# KiCad board Scopefun_v2.kicad_pcb (continued)
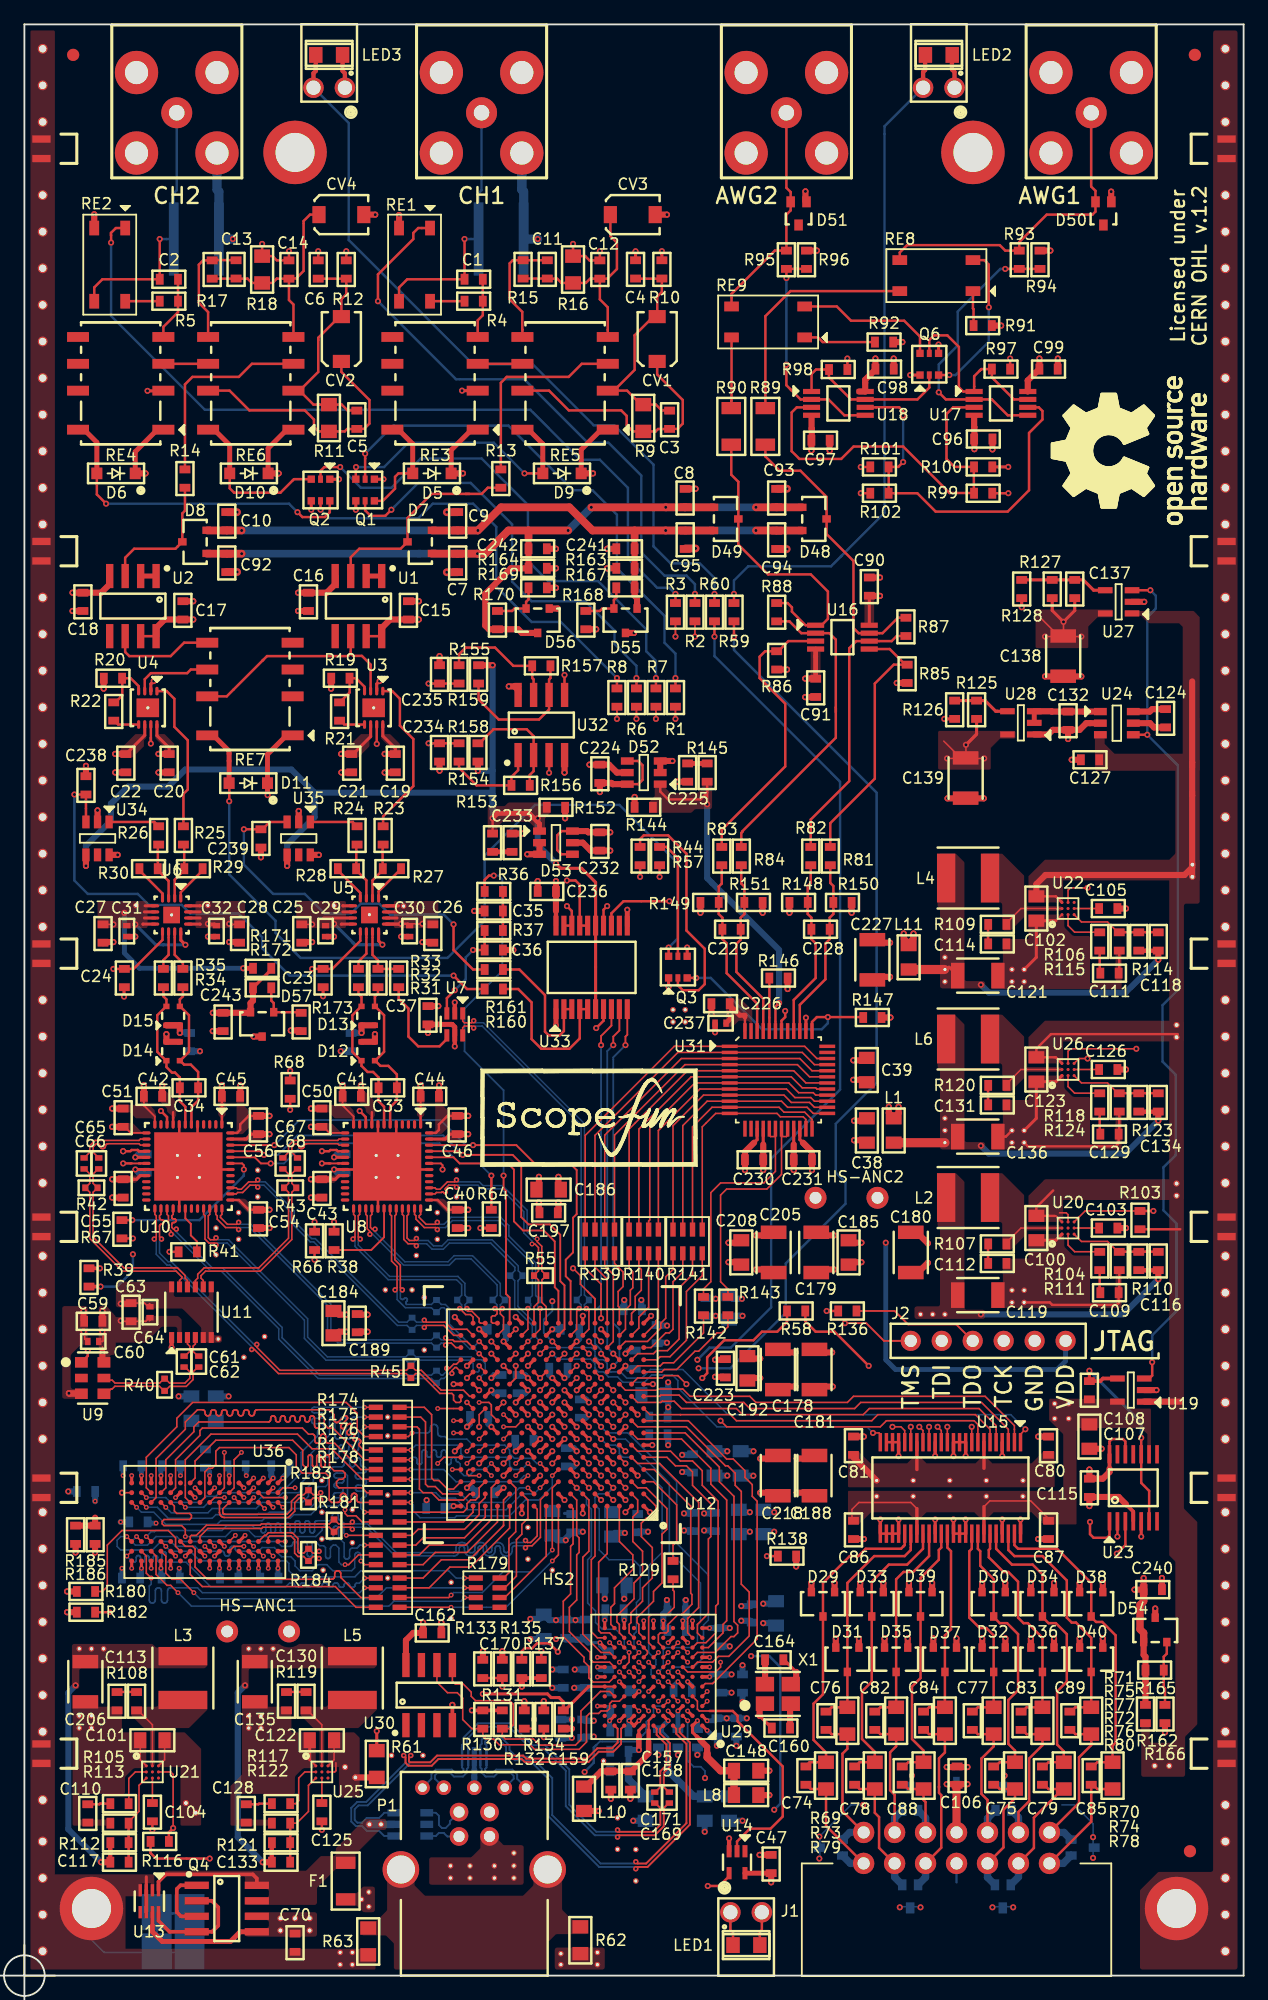
[diagram p0: board, top side]
## Routing (per net, layer and track width the routed paths; a pad name or vN(x,y) marks a point on that pad's centre or on a via; arc(x,y) is an arc through that point) (continued)
DDR3_DQ5: length 31.6
  Top w0.127: v2(33.9,46.5) U12.J16 ; U36.H8 v2(14.8,35.2)
  In2.Cu w0.127: v2(14.8,35.2) 14.8,37.6 15.8,38.6 17.4,38.6 17.6,38.8 17.6,41.3 18.3,42 18.5,42 23.7,47.2 28.25,47.2 28.31,47.19 28.37,47.17 28.42,47.14 28.47,47.1 28.5,47.04 28.52,46.99 28.53,46.86 28.55,46.81 28.58,46.75 28.63,46.71 28.68,46.68 28.74,46.66 28.8,46.65 28.85,46.65 28.91,46.66 28.97,46.68 29.02,46.71 29.07,46.75 29.1,46.81 29.12,46.86 29.13,46.99 29.15,47.04 29.18,47.1 29.23,47.14 29.28,47.17 29.34,47.19 29.4,47.2 29.45,47.2 29.51,47.19 29.57,47.17 29.62,47.14 29.67,47.1 29.7,47.04 29.72,46.99 29.73,46.86 29.75,46.81 29.78,46.75 29.83,46.71 29.88,46.68 29.94,46.66 30,46.65 30.05,46.65 30.11,46.66 30.17,46.68 30.22,46.71 30.27,46.75 30.3,46.81 30.32,46.86 30.33,46.99 30.35,47.04 30.38,47.1 30.43,47.14 30.48,47.17 30.54,47.19 30.6,47.2 30.65,47.2 30.71,47.19 30.77,47.17 30.82,47.14 30.87,47.1 30.9,47.04 30.92,46.99 30.93,46.86 30.95,46.81 30.98,46.75 31.03,46.71 31.08,46.68 31.14,46.66 31.2,46.65 31.25,46.65 31.31,46.66 31.37,46.68 31.42,46.71 31.47,46.75 31.5,46.81 31.52,46.86 31.53,46.99 31.55,47.04 31.58,47.1 31.63,47.14 31.68,47.17 31.74,47.19 31.8,47.2 33.2,47.2 v2(33.9,46.5)
DDR3_DQ6: length 33.3
  Top w0.127: v2(16.4,42.9) 16.4,40 U36.G2 ; U12.H13 38.3,46 38.3,46.8 38.1,47 v2(37.3,47)
  In2.Cu w0.127: v2(37.3,47) 36.75,47.55 36.75,48.15 36.5,48.4 36.1,48.4 35.7,48.8 35.7,49.7 34.85,50.55 22.7,50.55 16.4,44.25 v2(16.4,42.9)
DDR3_DQ7: length 31.2
  Top w0.127: U36.H7 v2(15.6,35.2) ; v2(35.2,45.5) U12.H16
  In2.Cu w0.127: v2(35.2,45.5) 34.8,45.5 34.6,45.7 33.8,45.7 33.1,46.4 32.1,46.4 31.8,46.1 30.3,46.1 30.1,46.3 29.6,46.3 29.5,46.2 27.1,46.2 27.04,46.21 26.99,46.22 26.94,46.25 26.9,46.29 26.87,46.34 26.86,46.39 26.84,46.51 26.83,46.56 26.8,46.61 26.76,46.65 26.71,46.68 26.66,46.69 26.6,46.7 26.5,46.7 26.44,46.69 26.39,46.68 26.34,46.65 26.3,46.61 26.27,46.56 26.26,46.51 26.24,46.39 26.23,46.34 26.2,46.29 26.16,46.25 26.11,46.22 26.06,46.21 26,46.2 25.9,46.2 25.84,46.21 25.79,46.22 25.74,46.25 25.7,46.29 25.67,46.34 25.66,46.39 25.64,46.51 25.63,46.56 25.6,46.61 25.56,46.65 25.51,46.68 25.46,46.69 25.4,46.7 25.3,46.7 25.24,46.69 25.19,46.68 25.14,46.65 25.1,46.61 25.07,46.56 25.06,46.51 25.04,46.39 25.03,46.34 25,46.29 24.96,46.25 24.91,46.22 24.86,46.21 24.8,46.2 24.3,46.2 24.2,46.1 24.15,46.06 24.1,46.03 24.04,46.02 23.97,46.02 23.91,46.03 23.86,46.06 23.76,46.14 23.71,46.17 23.65,46.18 23.59,46.18 23.53,46.17 23.47,46.14 23.42,46.1 23.39,46.06 23.35,46.02 23.32,45.96 23.31,45.9 23.31,45.84 23.32,45.78 23.35,45.72 23.43,45.63 23.45,45.57 23.47,45.51 23.47,45.45 23.45,45.39 23.43,45.33 23.39,45.29 23.35,45.25 23.3,45.21 23.25,45.19 23.19,45.17 23.13,45.17 23.07,45.19 23.01,45.21 22.91,45.29 22.86,45.32 22.8,45.33 22.74,45.33 22.68,45.32 22.62,45.29 22.57,45.25 22.54,45.22 22.5,45.17 22.47,45.11 22.46,45.05 22.46,44.99 22.47,44.93 22.5,44.88 22.58,44.78 22.6,44.72 22.62,44.66 22.62,44.6 22.6,44.54 22.58,44.49 22.54,44.44 22.4,44.3 22,44.3 19.2,41.5 19.2,40.6 19,40.4 18.6,40.4 18.4,40.2 18.4,38.8 17.6,38 16.2,38 15.7,37.5 15.7,36.4 16,36.1 16,35.6 v2(15.6,35.2)
DDR3_DQ8: length 29.5
  Top w0.127: U12.E15 v2(36.3,42) ; U36.D7 v2(18.8,35.2)
  In2.Cu w0.127: 24.36,35.29 23.74,35.29 23.33,35.7 22.2,35.7 21.8,36.1 21.33,36.1 21.1,36.33 21.1,36.7 21.09,36.77 21.07,36.83 21.03,36.89 20.99,36.93 20.93,36.97 20.87,36.99 20.8,37 20.73,36.99 20.67,36.97 20.61,36.93 20.57,36.89 20.53,36.83 20.51,36.77 20.5,36.7 20.5,35.3 20.49,35.23 20.47,35.17 20.43,35.11 20.39,35.07 20.33,35.03 20.27,35.01 20.2,35 20.13,35.01 20.07,35.03 20.01,35.07 19.97,35.11 19.93,35.17 19.91,35.23 19.9,35.3 19.9,36.9 19.89,36.97 19.87,37.03 19.83,37.09 19.79,37.13 19.73,37.17 19.67,37.19 19.6,37.2 19.53,37.19 19.47,37.17 19.41,37.13 19.37,37.09 19.33,37.03 19.31,36.97 19.3,36.9 19.3,35.5 19.29,35.43 19.27,35.37 19.23,35.31 19.19,35.27 19.13,35.23 19.07,35.21 19,35.2 v2(18.8,35.2) ; 25.2,35.2 26,34.4 27.36,34.4 27.36,34.41 27.74,34.71 28.61,34.71 32.4,38.5 33.3,38.5 33.55,38.75 33.55,39.2 33.4,39.35 33.4,39.6 34,40.2 34,40.4 34.6,41 35.3,41 v2(36.3,42)
  In2.Cu w0.13: 25.2,35.2 25.11,35.29 24.36,35.29
DDR3_DQ9: length 29.2
  Top w0.127: U12.D16 v2(35.1,41.5) ; U36.C3 v2(19.7,38.3)
  In2.Cu w0.127: v2(35.1,41.5) 34.3,41.5 33.3,40.5 33.3,40.2 32.3,39.2 31.5,39.2 31.44,39.19 31.39,39.18 31.34,39.15 31.3,39.11 31.27,39.06 31.26,39.01 31.25,38.95 31.25,38.45 31.24,38.39 31.23,38.34 31.2,38.29 31.16,38.25 31.11,38.22 31.06,38.21 31,38.2 30.94,38.21 30.89,38.22 30.84,38.25 30.8,38.29 30.77,38.34 30.76,38.39 30.75,38.45 30.75,39 30.74,39.04 30.73,39.09 30.71,39.12 30.67,39.16 30.64,39.18 30.59,39.19 30.55,39.2 30.45,39.2 30.41,39.19 30.36,39.18 30.33,39.16 30.29,39.12 30.27,39.09 30.26,39.04 30.25,39 30.25,38.95 30.24,38.89 30.23,38.84 30.2,38.79 30.16,38.75 30.11,38.72 30.06,38.71 30,38.7 29.7,38.7 29.64,38.69 29.59,38.68 29.54,38.65 29.5,38.61 29.47,38.56 29.46,38.51 29.45,38.45 29.46,38.39 29.47,38.34 29.5,38.29 29.54,38.25 29.59,38.22 29.64,38.21 29.7,38.2 30.2,38.2 30.26,38.19 30.31,38.18 30.36,38.15 30.4,38.11 30.43,38.06 30.44,38.01 30.45,37.95 30.45,37.35 30.4,37.3 30.36,37.27 30.31,37.24 30.25,37.23 30.2,37.23 30.14,37.24 30.09,37.27 30.05,37.3 29.76,37.58 29.72,37.62 29.67,37.64 29.61,37.65 29.56,37.65 29.5,37.64 29.45,37.62 29.41,37.58 29.38,37.54 29.35,37.49 29.34,37.43 29.34,37.38 29.35,37.32 29.38,37.27 29.41,37.23 29.69,36.95 29.73,36.9 29.75,36.85 29.76,36.8 29.76,36.74 29.75,36.69 29.73,36.64 29.69,36.59 29.6,36.5 29.56,36.47 29.51,36.44 29.45,36.43 29.4,36.43 29.34,36.44 29.29,36.47 29.25,36.5 28.96,36.78 28.92,36.82 28.87,36.84 28.81,36.85 28.76,36.85 28.7,36.84 28.65,36.82 28.48,36.64 28.45,36.59 28.44,36.53 28.44,36.48 28.45,36.42 28.48,36.37 28.51,36.33 28.79,36.05 28.83,36 28.85,35.95 28.86,35.9 28.86,35.84 28.85,35.79 28.83,35.74 28.79,35.69 28.7,35.6 28.66,35.57 28.61,35.54 28.55,35.53 28.5,35.53 28.44,35.54 28.39,35.57 28.35,35.6 27.86,36.08 27.82,36.12 27.77,36.14 27.71,36.15 27.66,36.15 27.6,36.14 27.55,36.12 27.4,35.96 27.4,35.2 27.2,35 26.3,35 25.8,35.5 25.8,36.1 25.6,36.3 22.4,36.3 20.8,37.9 20.1,37.9 v2(19.7,38.3)
DDR3_DQ10: length 28.6
  Top w0.127: v2(40.3,41) U12.D11 ; 19.23,34.8 19.23,34.8 ; U36.C8 v2(19.6,34.4)
  In2.Cu w0.127: v2(19.6,34.4) 20.1,33.9 21.1,33.9 21.4,33.6 21.4,33.5 24.3,30.6 31.1,30.6 40.3,39.8 v2(40.3,41)
DDR3_DQ11: length 31.1
  Top w0.127: v2(21.4,39.2) 19.6,39.2 U36.C2 ; 19.23,39.6 19.23,39.6 ; v2(38.3,43) U12.F13
  In2.Cu w0.127: v2(21.4,39.2) 22.07,39.2 22.35,39.48 22.46,39.56 22.52,39.59 22.58,39.61 22.65,39.61 22.71,39.59 22.77,39.56 22.83,39.52 22.87,39.47 22.9,39.41 22.91,39.34 22.91,39.28 22.9,39.21 22.87,39.15 22.83,39.1 22.4,38.67 22.36,38.62 22.33,38.56 22.32,38.49 22.32,38.43 22.33,38.36 22.36,38.3 22.4,38.25 22.46,38.21 22.52,38.18 22.58,38.16 22.65,38.16 22.71,38.18 22.77,38.21 22.88,38.29 22.94,38.32 23.01,38.33 23.07,38.33 23.14,38.32 23.2,38.29 23.25,38.25 23.29,38.2 23.32,38.14 23.34,38.07 23.34,38 23.32,37.94 23.29,37.88 23.21,37.77 23.18,37.71 23.17,37.65 23.17,37.58 23.18,37.51 23.21,37.45 23.25,37.4 23.3,37.36 23.36,37.33 23.43,37.31 23.5,37.31 23.56,37.33 23.62,37.36 23.73,37.44 23.79,37.47 23.85,37.49 23.92,37.49 23.99,37.47 24.05,37.44 24.1,37.4 24.8,37.4 26.1,38.7 26.88,38.7 26.89,38.7 26.94,38.72 27,38.75 27.04,38.8 27.07,38.85 27.09,38.91 27.1,38.97 27.1,39.32 27.11,39.36 27.12,39.41 27.14,39.44 27.18,39.48 27.21,39.5 27.26,39.51 27.3,39.52 27.9,39.52 27.94,39.53 27.99,39.54 28.02,39.56 28.06,39.6 28.08,39.63 28.09,39.68 28.1,39.72 28.09,39.76 28.08,39.81 28.06,39.84 28.02,39.88 27.99,39.9 27.94,39.91 27.9,39.92 27.3,39.92 27.26,39.93 27.21,39.94 27.18,39.96 27.14,40 27.12,40.03 27.11,40.08 27.1,40.12 27.11,40.16 27.12,40.21 27.14,40.24 27.18,40.28 27.21,40.3 27.26,40.31 27.3,40.32 27.9,40.32 27.94,40.33 27.99,40.34 28.02,40.36 28.06,40.4 28.08,40.43 28.09,40.48 28.1,40.52 28.09,40.56 28.08,40.61 28.06,40.64 28.02,40.68 27.99,40.7 27.94,40.71 27.9,40.72 27.4,40.72 27.36,40.73 27.31,40.74 27.28,40.76 27.24,40.8 27.22,40.83 27.21,40.88 27.2,40.92 27.21,40.96 27.22,41.01 27.24,41.04 27.28,41.08 27.31,41.1 27.36,41.11 27.4,41.12 28.12,41.12 28.6,41.6 31,41.6 31.3,41.9 31.9,41.9 32.3,41.5 32.7,41.5 33.6,42.4 34.3,42.4 34.7,42 35.6,42 36.1,42.5 36.5,42.5 36.7,42.7 36.9,42.7 37.1,42.5 37.5,42.5 37.7,42.3 38,42.3 38.3,42.6 v2(38.3,43)
DDR3_DQ12: length 29.4
  Top w0.127: U12.F12 v2(39.3,43) ; U36.A7 v2(21.4,35.6) ; 20.83,35.6 20.83,35.6
  In2.Cu w0.127: v2(39.3,43) 38.8,42.5 38.8,40.8 38.5,40.5 37.8,40.5 37.71,40.41 37.71,40.41 37.67,40.36 37.64,40.3 37.62,40.23 37.62,40.17 37.64,40.1 37.67,40.04 37.71,39.99 37.85,39.85 37.89,39.79 37.92,39.73 37.94,39.67 37.94,39.6 37.92,39.53 37.89,39.47 37.85,39.42 37.8,39.38 37.74,39.35 37.67,39.34 37.61,39.34 37.54,39.35 37.48,39.38 37.43,39.42 37.29,39.56 37.23,39.61 37.17,39.63 37.11,39.65 37.04,39.65 36.97,39.63 36.91,39.61 36.86,39.56 36.77,39.47 36.77,39.47 36.73,39.42 36.7,39.36 36.69,39.3 36.69,39.23 36.7,39.16 36.73,39.1 36.77,39.05 36.91,38.91 36.96,38.86 36.98,38.8 37,38.73 37,38.66 36.98,38.6 36.96,38.54 36.91,38.48 36.86,38.44 36.8,38.41 36.73,38.4 36.67,38.4 36.6,38.41 36.54,38.44 36.49,38.48 36.35,38.63 36.3,38.67 36.23,38.7 36.17,38.71 36.1,38.71 36.04,38.7 35.98,38.67 35.92,38.63 35.84,38.54 35.83,38.54 35.79,38.49 35.76,38.43 35.75,38.36 35.75,38.29 35.76,38.23 35.79,38.17 35.83,38.11 35.98,37.97 36.02,37.92 36.05,37.86 36.06,37.79 36.06,37.73 36.05,37.66 36.02,37.6 35.98,37.55 35.73,37.3 35.4,37.3 30.1,32 29.4,32 29.2,32.2 27.6,32.2 27.5,32.1 24.9,32.1 v2(21.4,35.6)
DDR3_DQ13: length 29.2
  Top w0.127: v2(36.3,43) 36.3,43 U12.F15 ; U36.A2 21.2,40 v2(22.2,40)
  In2.Cu w0.127: v2(22.2,40) 22.6,40.4 22.61,40.4 22.75,40.54 22.78,40.59 22.8,40.64 22.81,40.76 22.83,40.81 22.86,40.86 22.9,40.9 22.95,40.93 23,40.94 23.06,40.95 23.36,40.95 23.41,40.94 23.46,40.93 23.51,40.9 23.55,40.86 23.58,40.81 23.6,40.76 23.61,40.7 23.6,40.64 23.58,40.59 23.55,40.54 23.51,40.5 23.46,40.47 23.41,40.46 23.3,40.44 23.25,40.43 23.2,40.4 23.16,40.36 23.13,40.31 23.11,40.26 23.11,40.2 23.11,40.1 23.11,40.04 23.13,39.99 23.16,39.94 23.2,39.9 23.25,39.87 23.3,39.86 23.41,39.84 23.46,39.83 23.51,39.8 23.55,39.76 23.58,39.71 23.6,39.66 23.61,39.6 23.61,38.89 24,38.5 25.1,38.5 25.75,39.15 26.25,39.15 26.31,39.16 26.36,39.17 26.41,39.2 26.45,39.24 26.48,39.29 26.49,39.34 26.5,39.4 26.49,39.46 26.48,39.51 26.45,39.56 26.41,39.6 26.36,39.63 26.31,39.64 26.25,39.65 26.15,39.65 26.09,39.66 26.04,39.67 25.99,39.7 25.95,39.74 25.92,39.79 25.91,39.84 25.9,39.9 25.91,39.96 25.92,40.01 25.95,40.06 25.99,40.1 26.04,40.13 26.09,40.14 26.15,40.15 26.45,40.15 26.51,40.16 26.56,40.17 26.61,40.2 26.65,40.24 26.68,40.29 26.69,40.34 26.7,40.4 26.7,40.62 26.74,40.66 26.74,42.29 26.76,42.41 26.77,42.46 26.8,42.51 26.84,42.55 26.89,42.58 26.94,42.59 27,42.6 27.06,42.59 27.11,42.58 27.16,42.55 27.2,42.51 27.23,42.46 27.24,42.41 27.26,42.29 27.26,41.79 27.27,41.74 27.3,41.69 27.34,41.65 27.39,41.62 27.44,41.61 27.5,41.6 27.56,41.61 27.61,41.62 27.66,41.65 27.7,41.69 27.73,41.74 27.74,41.79 27.74,42.49 27.76,42.61 27.77,42.66 27.8,42.71 27.84,42.75 27.89,42.78 27.94,42.79 28,42.8 28.06,42.79 28.11,42.78 28.16,42.75 28.2,42.71 28.23,42.66 28.24,42.61 28.25,42.55 28.25,42.25 28.26,42.19 28.27,42.14 28.3,42.09 28.34,42.05 28.39,42.02 28.44,42.01 28.5,42 28.56,42.01 28.61,42.02 28.66,42.05 28.7,42.09 28.73,42.14 28.74,42.19 28.75,42.25 28.75,42.55 28.76,42.61 28.77,42.66 28.8,42.71 28.84,42.75 28.89,42.78 28.94,42.79 29,42.8 29.06,42.79 29.11,42.78 29.16,42.75 29.2,42.71 29.23,42.66 29.24,42.61 29.25,42.55 29.25,42.35 29.26,42.29 29.27,42.24 29.3,42.19 29.34,42.15 29.39,42.12 29.44,42.11 29.5,42.1 29.56,42.11 29.61,42.12 29.66,42.15 29.7,42.19 29.73,42.24 29.74,42.29 29.75,42.35 29.75,42.55 29.76,42.61 29.77,42.66 29.8,42.71 29.84,42.75 29.89,42.78 29.94,42.79 30,42.8 30.06,42.79 30.11,42.78 30.16,42.75 30.2,42.71 30.23,42.66 30.24,42.61 30.25,42.55 30.25,42.35 30.26,42.29 30.27,42.24 30.3,42.19 30.34,42.15 30.39,42.12 30.44,42.11 30.5,42.1 30.56,42.11 30.61,42.12 30.66,42.15 30.7,42.19 30.73,42.24 30.74,42.29 30.75,42.35 30.75,42.45 30.76,42.51 30.77,42.56 30.8,42.61 30.84,42.65 30.89,42.68 30.94,42.69 31,42.7 32,42.7 32.3,42.4 32.8,42.4 33.2,42.8 34.7,42.8 35,42.5 35.51,42.5 36,43 v2(36.3,43)
DDR3_DQ14: length 27.7
  Top w0.127: 20.03,34.8 20.03,34.8 ; U36.B8 v2(20.4,34.4) ; U12.E11 v2(40.3,42)
  In2.Cu w0.127: v2(20.4,34.4) 21,34.4 21.1,34.3 21.7,34.3 24.7,31.3 30.6,31.3 38.8,39.5 38.8,40.2 39.1,40.5 39.5,40.5 39.8,40.8 39.8,41.5 v2(40.3,42)
DDR3_DQ15: length 28.7
  Top w0.127: v2(33.9,42) 34.4,42.5 U12.E16 ; 20.83,38.8 20.83,38.8 ; U36.A3 v2(21.2,38.4)
  In2.Cu w0.127: v2(33.9,42) 33,41.1 32.94,41.09 32.89,41.08 32.84,41.05 32.8,41.01 32.77,40.96 32.76,40.91 32.75,40.85 32.75,40.45 32.74,40.39 32.73,40.34 32.7,40.29 32.66,40.25 32.61,40.22 32.56,40.21 32.5,40.2 32.44,40.21 32.39,40.22 32.34,40.25 32.3,40.29 32.27,40.34 32.26,40.39 32.25,40.45 32.25,40.85 32.24,40.91 32.23,40.96 32.2,41.01 32.16,41.05 32.11,41.08 32.06,41.09 32,41.1 31,41.1 30.94,41.09 30.89,41.08 30.84,41.05 30.8,41.01 30.77,40.96 30.76,40.91 30.75,40.85 30.75,40.15 30.74,40.09 30.73,40.04 30.7,39.99 30.66,39.95 30.61,39.92 30.56,39.91 30.5,39.9 30.44,39.91 30.39,39.92 30.34,39.95 30.3,39.99 30.27,40.04 30.26,40.09 30.25,40.15 30.25,40.85 30.24,40.91 30.23,40.96 30.2,41.01 30.16,41.05 30.11,41.08 30.06,41.09 30,41.1 29.94,41.09 29.89,41.08 29.84,41.05 29.8,41.01 29.77,40.96 29.76,40.91 29.75,40.85 29.75,40.15 29.74,40.09 29.73,40.04 29.7,39.99 29.66,39.95 29.61,39.92 29.56,39.91 29.5,39.9 29.44,39.91 29.39,39.92 29.34,39.95 29.3,39.99 29.27,40.04 29.26,40.09 29.25,40.15 29.25,40.85 29.24,40.91 29.23,40.96 29.2,41.01 29.16,41.05 29.11,41.08 29.06,41.09 29,41.1 28.94,41.09 28.89,41.08 28.84,41.05 28.8,41.01 28.77,40.96 28.76,40.91 28.75,40.85 28.75,39.85 28.76,39.79 28.78,39.73 28.81,39.68 28.85,39.63 28.91,39.6 28.96,39.58 29.09,39.57 29.14,39.55 29.2,39.52 29.24,39.47 29.27,39.42 29.29,39.36 29.3,39.3 29.29,39.24 29.27,39.18 29.24,39.13 29.2,39.08 29.14,39.05 29.09,39.03 29.02,39.03 27.98,39.03 27.91,39.02 27.86,39 27.8,38.97 27.76,38.92 27.73,38.87 27.71,38.81 27.7,38.75 27.71,38.69 27.73,38.63 27.76,38.58 27.8,38.53 27.86,38.5 27.91,38.48 27.98,38.47 28.48,38.47 28.54,38.47 28.59,38.45 28.65,38.42 28.69,38.37 28.72,38.32 28.74,38.26 28.75,38.2 28.75,37.75 28.2,37.2 27.7,37.2 27.2,37.7 26.3,37.7 26.1,37.5 26.1,37.1 25.8,36.8 22.8,36.8 21.8,37.8 21.8,38.2 21.6,38.4 v2(21.2,38.4)
DDR3_DQS0_N: length 35.2
  Top w0.127: v3(24.3,39) 24.14,39.17 23.69,39.17 23.33,38.8 R183.2 23.27,38.8 22.91,39.17 22.56,39.17 22.17,38.78 22.17,38.08 21.66,37.57 16.41,37.57 16.32,37.58 16.23,37.61 16.16,37.65 16.09,37.72 16.04,37.8 16.01,37.88 16,37.97 16,37.98 U36.G3 16,38.8 ; v2(37.3,43) U12.F14
  In2.Cu w0.13: v3(24.3,39) 24.42,39.13 24.88,39.13 25.27,39.52 25.27,40.45 25.28,40.48 25.29,40.52 25.31,40.54 25.33,40.57 25.36,40.59 25.39,40.6 25.42,40.6 25.63,40.6 25.73,40.61 25.83,40.65 25.92,40.7 25.99,40.78 26.05,40.87 26.08,40.97 26.1,41.07 26.1,41.13 26.08,41.23 26.05,41.33 25.99,41.42 25.92,41.5 25.83,41.55 25.73,41.59 25.63,41.6 24.3,41.6 24.27,41.6 24.24,41.61 24.21,41.63 24.18,41.66 24.17,41.68 24.15,41.72 24.15,41.75 24.15,41.78 24.17,41.82 24.18,41.84 24.21,41.87 24.24,41.89 24.27,41.9 24.77,41.9 25.25,42.37 25.25,43.91 25.25,43.94 25.26,43.97 25.28,43.99 25.3,44.01 25.32,44.03 25.35,44.04 25.38,44.04 25.41,44.04 25.43,44.03 25.46,44.01 25.48,43.99 25.49,43.97 25.5,43.94 25.51,43.91 25.51,43.58 25.52,43.48 25.55,43.38 25.61,43.3 25.68,43.22 25.76,43.17 25.86,43.14 25.96,43.13 26,43.13 26.1,43.14 26.19,43.17 26.28,43.22 26.35,43.3 26.4,43.38 26.44,43.48 26.45,43.58 26.45,43.91 26.45,43.94 26.46,43.97 26.48,43.99 26.5,44.01 26.52,44.03 26.55,44.04 26.58,44.04 26.61,44.04 26.63,44.03 26.66,44.01 26.68,43.99 26.69,43.97 26.7,43.94 26.71,43.91 26.71,43.78 26.72,43.68 26.75,43.58 26.81,43.5 26.88,43.42 26.96,43.37 27.06,43.34 27.16,43.33 27.6,43.33 27.8,43.53 29.23,43.53 29.33,43.43 30.67,43.43 30.78,43.54 35.7,43.54 36.05,43.88 36.05,44 36.05,44.03 36.06,44.06 36.08,44.09 36.11,44.12 36.13,44.13 36.17,44.15 36.2,44.15 36.23,44.15 36.27,44.13 36.29,44.12 36.32,44.09 36.34,44.06 36.35,44.03 36.35,44 36.35,43.8 36.36,43.69 36.4,43.59 36.45,43.5 36.53,43.43 36.62,43.37 36.72,43.34 36.82,43.33 36.97,43.33 v2(37.3,43)
DDR3_DQS0_P: length 34.9
  Top w0.127: U36.F3 16.27,38.27 16.27,38 16.27,37.96 16.29,37.93 16.31,37.9 16.33,37.87 16.36,37.85 16.4,37.84 16.44,37.83 21.54,37.83 21.9,38.2 21.9,38.9 22.44,39.43 22.91,39.43 23.27,39.8 R183.1 23.33,39.8 23.69,39.43 24.14,39.43 v3(24.3,39.6) ; U12.G14 v2(37.3,44)
  In2.Cu w0.13: v2(37.3,44) 36.97,43.67 36.85,43.67 36.82,43.68 36.78,43.69 36.76,43.71 36.73,43.73 36.71,43.76 36.7,43.79 36.7,43.83 36.7,44.03 36.69,44.13 36.65,44.23 36.6,44.32 36.52,44.39 36.43,44.45 36.33,44.48 36.23,44.5 36.17,44.5 36.07,44.48 35.97,44.45 35.88,44.39 35.8,44.32 35.75,44.23 35.71,44.13 35.7,44.03 35.56,43.88 30.64,43.88 30.53,43.77 29.48,43.77 29.38,43.87 27.66,43.87 27.46,43.67 27.18,43.67 27.15,43.68 27.13,43.69 27.1,43.7 27.08,43.72 27.07,43.75 27.06,43.77 27.05,43.8 27.05,43.94 27.04,44.04 27.01,44.13 26.96,44.22 26.88,44.29 26.8,44.34 26.7,44.37 26.61,44.39 26.55,44.39 26.45,44.37 26.36,44.34 26.27,44.29 26.2,44.22 26.15,44.13 26.11,44.04 26.1,43.94 26.1,43.6 26.1,43.57 26.09,43.55 26.07,43.52 26.05,43.5 26.03,43.49 26,43.48 25.97,43.47 25.98,43.47 25.95,43.48 25.93,43.49 25.9,43.5 25.88,43.52 25.87,43.55 25.86,43.57 25.85,43.6 25.85,43.94 25.84,44.04 25.81,44.13 25.76,44.22 25.68,44.29 25.6,44.34 25.5,44.37 25.41,44.39 25.35,44.39 25.25,44.37 25.16,44.34 25.07,44.29 25,44.22 24.95,44.13 24.91,44.04 24.9,43.94 24.9,43.8 24.9,43.77 24.9,42.51 24.63,42.25 24.24,42.25 24.17,42.24 24.07,42.2 23.98,42.15 23.91,42.07 23.85,41.98 23.82,41.88 23.8,41.78 23.8,41.72 23.82,41.62 23.85,41.52 23.91,41.43 23.98,41.35 24.07,41.3 24.17,41.26 24.27,41.25 25.6,41.25 25.63,41.25 25.66,41.24 25.69,41.22 25.72,41.19 25.73,41.17 25.75,41.13 25.75,41.1 25.75,41.07 25.73,41.03 25.72,41.01 25.69,40.98 25.66,40.96 25.63,40.95 25.6,40.95 25.4,40.95 25.29,40.94 25.19,40.9 25.1,40.85 25.03,40.77 24.97,40.68 24.94,40.58 24.93,40.48 24.93,39.66 24.74,39.47 24.42,39.47 v3(24.3,39.6)
DDR3_DQS1_N: length 30.9
  Top w0.127: R184.2 23.27,34 22.91,34.37 22.44,34.37 22.17,34.64 22.17,35.74 21.86,36.05 20.13,36.05 20,35.92 U36.B7 20,35.7 ; U12.D15 36.45,41.5 36.3,41.35 36.3,41.15 36.45,41 v2(37.3,41) ; v3(24.17,34.2) 24.01,34.37 23.68,34.37 23.31,34
  In2.Cu w0.127: 36.8,40.65 36.8,40.35 36.9,40.25 37.15,40.25 37.3,40.4 v2(37.3,41)
  In2.Cu w0.13: 36.8,40.65 36.72,40.73 36.32,40.73 34.67,39.09 34.67,37.83 34.23,37.39 32.93,37.39 32.74,37.2 32.72,37.17 32.7,37.13 32.69,37.09 32.69,37.05 32.7,37.01 32.72,36.97 32.74,36.94 32.89,36.79 32.96,36.7 33.01,36.6 33.03,36.49 33.03,36.38 33.01,36.27 32.96,36.17 32.89,36.08 32.82,36.02 32.74,35.95 32.63,35.9 32.53,35.87 32.41,35.87 32.3,35.9 32.2,35.95 32.11,36.02 31.97,36.16 31.94,36.19 31.9,36.2 31.86,36.21 31.82,36.21 31.78,36.2 31.74,36.19 31.71,36.16 31.68,36.14 31.66,36.11 31.64,36.07 31.63,36.03 31.63,35.99 31.64,35.95 31.66,35.91 31.68,35.87 31.83,35.73 31.9,35.64 31.95,35.54 31.97,35.43 31.97,35.32 31.95,35.21 31.9,35.11 31.83,35.02 31.76,34.96 31.68,34.89 31.57,34.84 31.46,34.81 31.35,34.81 31.24,34.84 31.14,34.89 31.05,34.96 30.91,35.1 30.88,35.13 30.84,35.14 30.8,35.15 30.76,35.15 30.71,35.14 30.68,35.13 30.64,35.1 30.62,35.08 30.6,35.05 30.58,35.01 30.57,34.97 30.57,34.93 30.58,34.88 30.6,34.85 30.62,34.81 30.77,34.67 30.84,34.58 30.89,34.48 30.91,34.37 30.91,34.26 30.89,34.15 30.84,34.05 30.77,33.96 30.7,33.89 30.61,33.82 30.51,33.78 30.4,33.75 30.29,33.75 30.18,33.78 30.08,33.82 29.99,33.89 29.85,34.04 29.82,34.07 29.78,34.08 29.74,34.09 29.7,34.09 29.65,34.08 29.62,34.07 29.58,34.04 28.67,33.13 26.97,33.13 26.67,32.83 25.63,32.83 25.13,33.33 25.13,33.83 24.63,34.33 24.29,34.33 v3(24.17,34.2)
DDR3_DQS1_P: length 30.8
  Top w0.127: 23.31,35 23.68,34.63 24.01,34.63 v3(24.17,34.8) ; U36.C7 19.7,36.1 19.8,36.1 20.02,36.32 21.97,36.32 22.43,35.86 22.43,34.76 22.56,34.63 22.91,34.63 23.27,35 R184.1 ; U12.D14 v2(38.3,41)
  In2.Cu w0.13: v3(24.17,34.8) 24.29,34.67 24.77,34.67 25.47,33.97 25.47,33.47 25.77,33.17 26.53,33.17 26.83,33.47 28.53,33.47 29.36,34.31 29.45,34.38 29.55,34.42 29.66,34.45 29.77,34.45 29.88,34.42 29.98,34.38 30.07,34.31 30.22,34.16 30.25,34.14 30.29,34.12 30.33,34.11 30.37,34.11 30.41,34.12 30.45,34.14 30.48,34.16 30.5,34.18 30.53,34.22 30.55,34.25 30.55,34.29 30.55,34.34 30.55,34.38 30.53,34.41 30.5,34.45 30.36,34.59 30.29,34.68 30.24,34.78 30.21,34.89 30.21,35 30.24,35.11 30.29,35.21 30.36,35.3 30.42,35.37 30.51,35.44 30.61,35.49 30.72,35.51 30.83,35.51 30.94,35.49 31.04,35.44 31.13,35.37 31.28,35.22 31.31,35.2 31.35,35.18 31.39,35.17 31.43,35.17 31.47,35.18 31.51,35.2 31.54,35.22 31.56,35.24 31.59,35.28 31.61,35.31 31.62,35.35 31.62,35.4 31.61,35.44 31.59,35.47 31.56,35.51 31.42,35.65 31.35,35.74 31.3,35.84 31.27,35.95 31.27,36.06 31.3,36.17 31.35,36.27 31.42,36.36 31.48,36.43 31.57,36.5 31.67,36.55 31.78,36.57 31.89,36.57 32,36.55 32.1,36.5 32.19,36.43 32.34,36.28 32.37,36.26 32.41,36.24 32.45,36.23 32.49,36.23 32.53,36.24 32.57,36.26 32.6,36.28 32.62,36.3 32.65,36.34 32.67,36.37 32.68,36.42 32.68,36.46 32.67,36.5 32.65,36.54 32.62,36.57 32.48,36.71 32.41,36.8 32.36,36.9 32.33,37.01 32.33,37.12 32.36,37.23 32.41,37.33 32.48,37.42 32.79,37.73 34.09,37.73 34.33,37.97 34.33,39.27 36.16,41.1 36.7,41.1 37.1,41.5 37.5,41.5 38,41 v2(38.3,41)
DDR3_ODT: length 13.5
  Top w0.127: v2(31.7,39.6) 30.8,39.6 ; U12.C9 v2(42.3,40)
  Bottom w0.127: v2(42.3,40) 41.8,39.5 40.8,39.5 39.5,38.2 36.3,38.2 35.35,39.15 34.2,39.15 33.75,39.6 v2(31.7,39.6)
DDR3_RAS#: length 16
  Top w0.127: v2(31.7,38.8) 30.8,38.8 ; U12.D8 v2(43.3,41)
  Bottom w0.127: v2(43.3,41) 43.3,40.1 42.2,39 41.1,39 39.8,37.7 35.45,37.7 35.3,37.55 32.45,37.55 31.9,38.1 31.9,38.6 v2(31.7,38.8)
DDR3_RESET#: length 59.9
  Top w0.127: U12.E12 v1(39.3,42) ; v1(8,39.6) U36.T2
  Top w0.2: v3(7,29.8) R182.1
  In2.Cu w0.127: v3(7,29.8) 23.55,29.8 25.15,28.2 35.2,28.2 40.2,33.2 40.2,38.4 40.8,39 40.8,42.2 40.5,42.5 U12.E12 v1(39.3,42)
  In2.Cu w0.2: v1(8,39.6) 7.3,38.9 7.3,33 7,32.7 v3(7,29.8)
DDR3_WE#: length 10.6
  Top w0.127: R174.7 32.5,45.8 32.9,45.4 32.9,40.3 33.1,40.1 33.7,40.1 34.3,39.5 U12.B16
dir_5_0: length 45.8
  Top w0.127: U15.1 81.7,44.4 v1(82.1,44.8) ; U12.P9 v1(42.3,51)
  Bottom w0.127: v1(42.3,51) U12.P9 46.5,51.5 46.8,51.2 46.8,50.8 47.1,50.5 47.5,50.5 47.8,50.2 47.8,49.8 48.1,49.5 48.9,49.5 49.4,49 50.65,49 51.35,49.7 54,49.7 57.7,46 80.9,46 v1(82.1,44.8)
dir_11_6: length 32.1
  Top w0.127: v1(69.6,44.5) 70.1,44.5 70.2,44.4 U15.24 ; U12.N9 v1(43.3,51)
  Bottom w0.127: v1(69.6,44.5) 69.1,45 56.8,45 53.6,48.2 53.6,48.8 53.15,49.25 51.45,49.25 50.85,48.65 49.1,48.65 48.65,49.1 47.9,49.1 47.5,49.5 47.1,49.5 46.8,49.8 46.8,50.2 46.45,50.55 43.75,50.55 v1(43.3,51)
DONE: length 41.8
  Top w0.127: v1(42.3,45) U12.H10 ; U29.D1 v2(56,23.3)
  Top w0.2: v1(43.75,26.55) 43.05,27.25 42.05,27.25 41.65,26.85 41.05,26.85 40.8,26.6 R135.2
  In2.Cu w0.127: v2(56,23.3) U29.D1 54.8,22.9 54.45,23.25 52.05,23.25 51.6,23.7 50,23.7 49.6,23.3 46.7,23.3 45.9,24.1 44.5,24.1 44,24.6 44,25.65 43.75,25.9 v1(43.75,26.55) 43,27.3 43,29.8 43.9,30.7 43.9,35.2 43.8,35.3 43.8,37.6 44.8,38.6 44.8,42.8 43.8,43.8 43.8,44.2 43.5,44.5 42.8,44.5 v1(42.3,45)
dpot_cs: length 75.8
  Top w0.127: U23.1 89,36.6
  Top w0.15: U12.N11 v1(41.3,51)
  Top w0.2: U23.1 89,36.1 88.8,35.9 87.7,35.9 87.4,36.2 v1(87.4,37.2)
  In2.Cu w0.15: v1(41.3,51) 41.8,51.5 41.8,52.5 42.3,53 42.3,53.7 42.8,54.2 42.8,55.15 42.6,55.35 42.6,56.3 43.65,57.35 47.45,57.35 48.6,58.5 51.2,58.5 51.92,59.22 66.9,59.22 68.88,57.25 77.75,57.25 ; v1(87.4,37.2) 86.45,38.15 86.45,50 86.95,50.5 86.95,52.85 82.55,57.25 77.75,57.25 ; 77.75,57.25 77.83,57.25
